# Altium PCB Ocreeb MK 2 _core _pcb.PcbDoc (part 1 of 2)
Units mm, origin at the board's own origin, x right, y up, seen from the top; angles counter-clockwise.
Board outline 87.2 x 87.2 mm, 2 copper layers (Top, Bottom); 47 components, 38 nets, 290 pads, 62 vias.
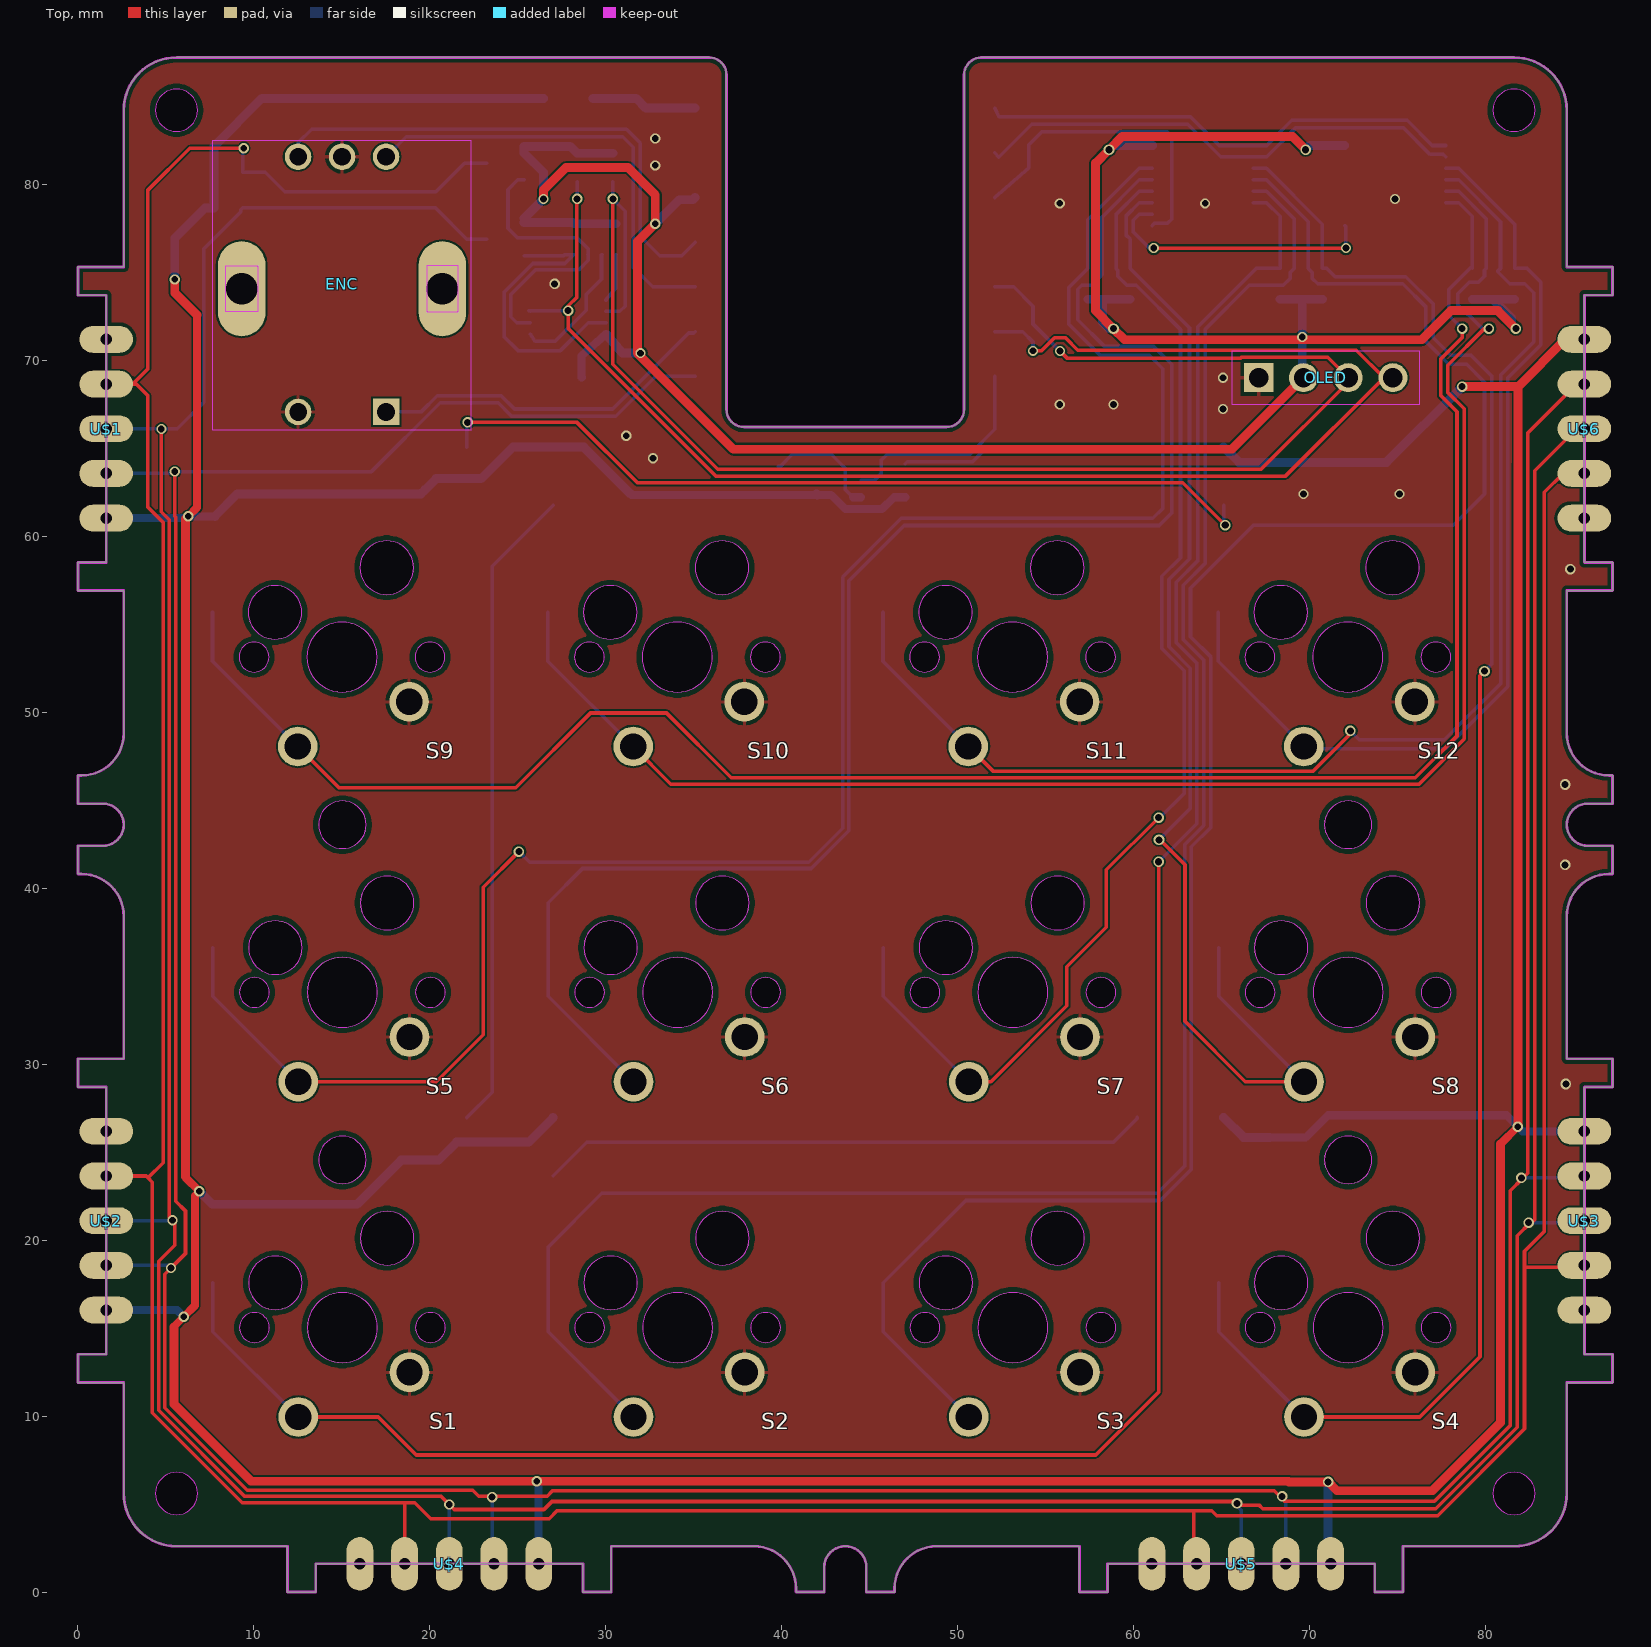
[diagram p0: Top view]
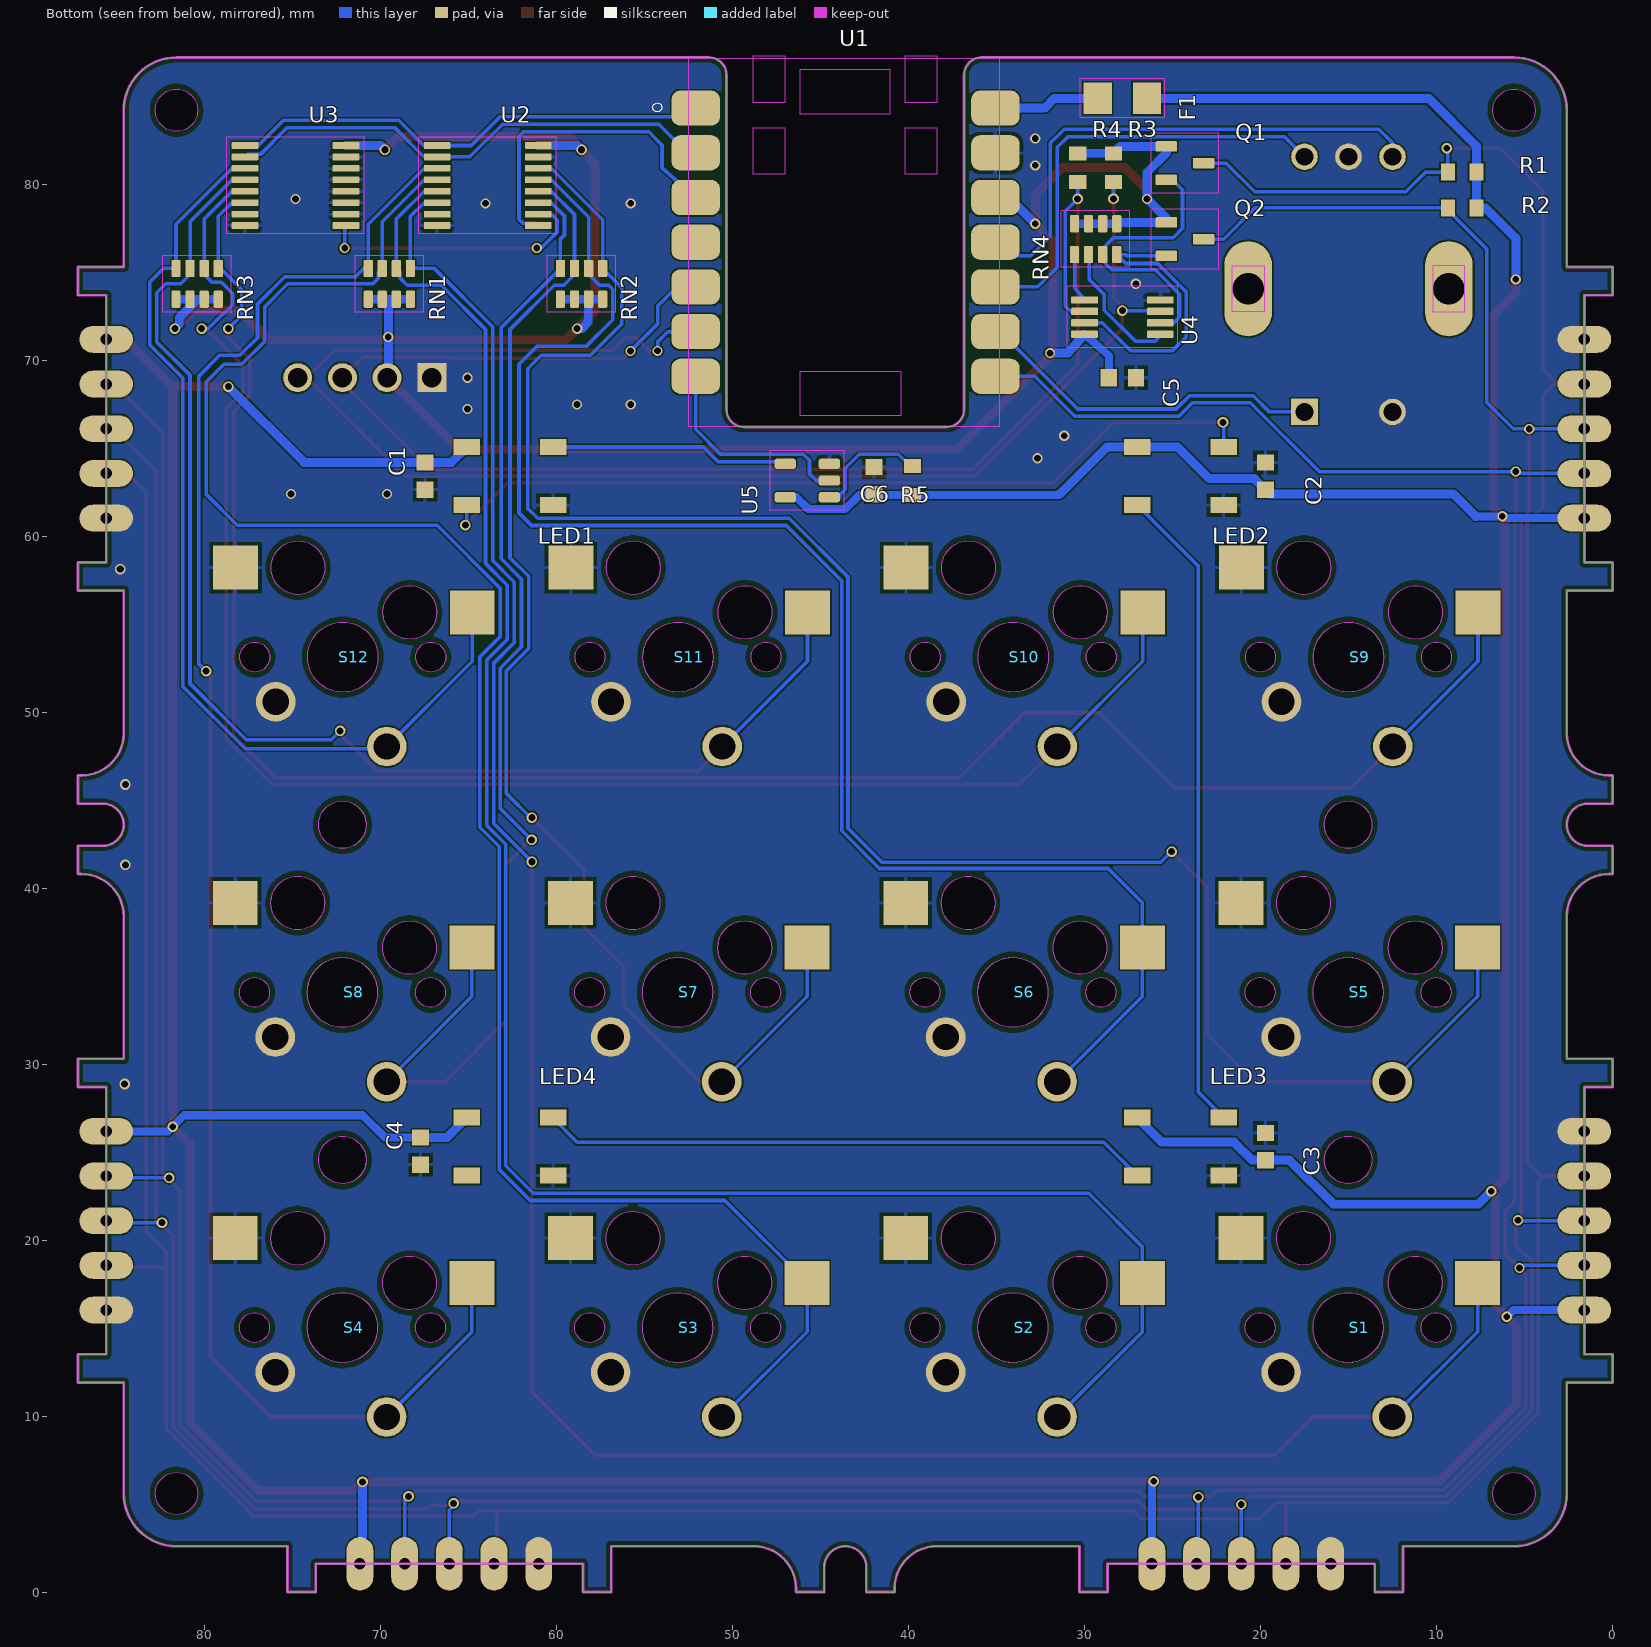
[diagram p1: Bottom view, seen from below]

## Layer stack, top to bottom
Top Solder: solder mask 0.0102, Solder Resist, Dk 3.5
Top: signal copper 0.035
Dielectric 1: dielectric 0.32, FR-4, Dk 4.8
Bottom: signal copper 0.035
Bottom Solder: solder mask 0.0102, Solder Resist, Dk 3.5

## Board outline
0,40.8 0,42.4 1.4,42.4 ccw(c1.4,43.6) 1.4,44.8 0,44.8 0,46.4 0.2,46.4 ccw(c0.2,48.8) 2.6,48.8 2.6,56.905 0,56.905 0,58.505 1.6,58.505 1.6,73.695 0,73.695 0,75.295 2.6,75.295 2.6,84.2 cw(c5.6,84.2) 5.6,87.2 35.85,87.2 cw(c35.85,86.2) 36.85,86.2 36.85,67.2 ccw(c37.85,67.2) 37.85,66.2 49.35,66.2 ccw(c49.35,67.2) 50.35,67.2 50.35,86.2 cw(c51.35,86.2) 51.35,87.2 81.6,87.2 cw(c81.6,84.2) 84.6,84.2 84.6,75.295 87.2,75.295 87.2,73.695 85.6,73.695 85.6,58.505 87.2,58.505 87.2,56.905 84.6,56.905 84.6,48.8 ccw(c87,48.8) 87,46.4 87.2,46.4 87.2,44.8 85.8,44.8 ccw(c85.8,43.6) 85.8,42.4 87.2,42.4 87.2,40.8 87,40.8 ccw(c87,38.4) 84.6,38.4 84.6,30.295 87.2,30.295 87.2,28.695 85.6,28.695 85.6,13.505 87.2,13.505 87.2,11.905 84.6,11.905 84.6,5.6 cw(c81.6,5.6) 81.6,2.6 75.295,2.6 75.295,0 73.695,0 73.695,1.6 58.505,1.6 58.505,0 56.905,0 56.905,2.6 48.8,2.6 ccw(c48.8,0.2) 46.4,0.2 46.4,0 44.8,0 44.8,1.4 ccw(c43.6,1.4) 42.4,1.4 42.4,0 40.8,0 40.8,0.2 ccw(c38.4,0.2) 38.4,2.6 30.295,2.6 30.295,0 28.695,0 28.695,1.6 13.505,1.6 13.505,0 11.905,0 11.905,2.6 5.6,2.6 cw(c5.6,5.6) 2.6,5.6 2.6,11.905 0,11.905 0,13.505 1.6,13.505 1.6,28.695 0,28.695 0,30.295 2.6,30.295 2.6,38.4 ccw(c0.2,38.4) 0.2,40.8
cut-out: 34.075,32.081 ccw(c34.075,34.075) 36.069,34.075 ccw(c34.075,34.075) 34.075,36.069 ccw(c34.075,34.075) 32.081,34.075 ccw(c34.075,34.075)
cut-out: 53.125,32.081 ccw(c53.125,34.075) 55.119,34.075 ccw(c53.125,34.075) 53.125,36.069 ccw(c53.125,34.075) 51.131,34.075 ccw(c53.125,34.075)
cut-out: 15.025,13.031 ccw(c15.025,15.025) 17.019,15.025 ccw(c15.025,15.025) 15.025,17.019 ccw(c15.025,15.025) 13.031,15.025 ccw(c15.025,15.025)
cut-out: 53.105,51.131 ccw(c53.105,53.125) 55.099,53.125 ccw(c53.105,53.125) 53.105,55.119 ccw(c53.105,53.125) 51.111,53.125 ccw(c53.105,53.125)
cut-out: 15.025,32.081 ccw(c15.025,34.075) 17.019,34.075 ccw(c15.025,34.075) 15.025,36.069 ccw(c15.025,34.075) 13.031,34.075 ccw(c15.025,34.075)
cut-out: 34.055,51.131 ccw(c34.055,53.125) 36.049,53.125 ccw(c34.055,53.125) 34.055,55.119 ccw(c34.055,53.125) 32.061,53.125 ccw(c34.055,53.125)
cut-out: 72.175,13.031 ccw(c72.175,15.025) 74.169,15.025 ccw(c72.175,15.025) 72.175,17.019 ccw(c72.175,15.025) 70.181,15.025 ccw(c72.175,15.025)
cut-out: 53.125,13.031 ccw(c53.125,15.025) 55.119,15.025 ccw(c53.125,15.025) 53.125,17.019 ccw(c53.125,15.025) 51.131,15.025 ccw(c53.125,15.025)
cut-out: 34.075,13.031 ccw(c34.075,15.025) 36.069,15.025 ccw(c34.075,15.025) 34.075,17.019 ccw(c34.075,15.025) 32.081,15.025 ccw(c34.075,15.025)
cut-out: 72.155,51.131 ccw(c72.155,53.125) 74.149,53.125 ccw(c72.155,53.125) 72.155,55.119 ccw(c72.155,53.125) 70.161,53.125 ccw(c72.155,53.125)
cut-out: 15.005,51.131 ccw(c15.005,53.125) 16.999,53.125 ccw(c15.005,53.125) 15.005,55.119 ccw(c15.005,53.125) 13.011,53.125 ccw(c15.005,53.125)
cut-out: 72.175,32.081 ccw(c72.175,34.075) 74.169,34.075 ccw(c72.175,34.075) 72.175,36.069 ccw(c72.175,34.075) 70.181,34.075 ccw(c72.175,34.075)
cut-out: 74.715,18.581 ccw(c74.715,20.105) 76.239,20.105 ccw(c74.715,20.105) 74.715,21.629 ccw(c74.715,20.105) 73.191,20.105 ccw(c74.715,20.105)
cut-out: 68.345,54.141 ccw(c68.345,55.665) 69.869,55.665 ccw(c68.345,55.665) 68.345,57.189 ccw(c68.345,55.665) 66.821,55.665 ccw(c68.345,55.665)
cut-out: 55.665,18.581 ccw(c55.665,20.105) 57.189,20.105 ccw(c55.665,20.105) 55.665,21.629 ccw(c55.665,20.105) 54.141,20.105 ccw(c55.665,20.105)
cut-out: 30.265,16.041 ccw(c30.265,17.565) 31.789,17.565 ccw(c30.265,17.565) 30.265,19.089 ccw(c30.265,17.565) 28.741,17.565 ccw(c30.265,17.565)
cut-out: 36.615,18.581 ccw(c36.615,20.105) 38.139,20.105 ccw(c36.615,20.105) 36.615,21.629 ccw(c36.615,20.105) 35.091,20.105 ccw(c36.615,20.105)
cut-out: 49.315,16.041 ccw(c49.315,17.565) 50.839,17.565 ccw(c49.315,17.565) 49.315,19.089 ccw(c49.315,17.565) 47.791,17.565 ccw(c49.315,17.565)
cut-out: 74.715,37.631 ccw(c74.715,39.155) 76.239,39.155 ccw(c74.715,39.155) 74.715,40.679 ccw(c74.715,39.155) 73.191,39.155 ccw(c74.715,39.155)
cut-out: 49.315,35.091 ccw(c49.315,36.615) 50.839,36.615 ccw(c49.315,36.615) 49.315,38.139 ccw(c49.315,36.615) 47.791,36.615 ccw(c49.315,36.615)
cut-out: 68.365,35.091 ccw(c68.365,36.615) 69.889,36.615 ccw(c68.365,36.615) 68.365,38.139 ccw(c68.365,36.615) 66.841,36.615 ccw(c68.365,36.615)
cut-out: 11.195,54.141 ccw(c11.195,55.665) 12.719,55.665 ccw(c11.195,55.665) 11.195,57.189 ccw(c11.195,55.665) 9.671,55.665 ccw(c11.195,55.665)
cut-out: 17.545,56.681 ccw(c17.545,58.205) 19.069,58.205 ccw(c17.545,58.205) 17.545,59.729 ccw(c17.545,58.205) 16.021,58.205 ccw(c17.545,58.205)
cut-out: 55.665,37.631 ccw(c55.665,39.155) 57.189,39.155 ccw(c55.665,39.155) 55.665,40.679 ccw(c55.665,39.155) 54.141,39.155 ccw(c55.665,39.155)
cut-out: 17.565,37.631 ccw(c17.565,39.155) 19.089,39.155 ccw(c17.565,39.155) 17.565,40.679 ccw(c17.565,39.155) 16.041,39.155 ccw(c17.565,39.155)
cut-out: 68.365,16.041 ccw(c68.365,17.565) 69.889,17.565 ccw(c68.365,17.565) 68.365,19.089 ccw(c68.365,17.565) 66.841,17.565 ccw(c68.365,17.565)
cut-out: 11.215,35.091 ccw(c11.215,36.615) 12.739,36.615 ccw(c11.215,36.615) 11.215,38.139 ccw(c11.215,36.615) 9.691,36.615 ccw(c11.215,36.615)
cut-out: 30.265,35.091 ccw(c30.265,36.615) 31.789,36.615 ccw(c30.265,36.615) 30.265,38.139 ccw(c30.265,36.615) 28.741,36.615 ccw(c30.265,36.615)
cut-out: 36.615,37.631 ccw(c36.615,39.155) 38.139,39.155 ccw(c36.615,39.155) 36.615,40.679 ccw(c36.615,39.155) 35.091,39.155 ccw(c36.615,39.155)
cut-out: 30.245,54.141 ccw(c30.245,55.665) 31.769,55.665 ccw(c30.245,55.665) 30.245,57.189 ccw(c30.245,55.665) 28.721,55.665 ccw(c30.245,55.665)
cut-out: 55.645,56.681 ccw(c55.645,58.205) 57.169,58.205 ccw(c55.645,58.205) 55.645,59.729 ccw(c55.645,58.205) 54.121,58.205 ccw(c55.645,58.205)
cut-out: 36.595,56.681 ccw(c36.595,58.205) 38.119,58.205 ccw(c36.595,58.205) 36.595,59.729 ccw(c36.595,58.205) 35.071,58.205 ccw(c36.595,58.205)
cut-out: 17.565,18.581 ccw(c17.565,20.105) 19.089,20.105 ccw(c17.565,20.105) 17.565,21.629 ccw(c17.565,20.105) 16.041,20.105 ccw(c17.565,20.105)
cut-out: 11.215,16.041 ccw(c11.215,17.565) 12.739,17.565 ccw(c11.215,17.565) 11.215,19.089 ccw(c11.215,17.565) 9.691,17.565 ccw(c11.215,17.565)
cut-out: 49.295,54.141 ccw(c49.295,55.665) 50.819,55.665 ccw(c49.295,55.665) 49.295,57.189 ccw(c49.295,55.665) 47.771,55.665 ccw(c49.295,55.665)
cut-out: 74.695,56.681 ccw(c74.695,58.205) 76.219,58.205 ccw(c74.695,58.205) 74.695,59.729 ccw(c74.695,58.205) 73.171,58.205 ccw(c74.695,58.205)
cut-out: 15.025,42.25 ccw(c15.025,43.6) 16.375,43.6 ccw(c15.025,43.6) 15.025,44.95 ccw(c15.025,43.6) 13.675,43.6 ccw(c15.025,43.6)
cut-out: 72.175,42.25 ccw(c72.175,43.6) 73.525,43.6 ccw(c72.175,43.6) 72.175,44.95 ccw(c72.175,43.6) 70.825,43.6 ccw(c72.175,43.6)
cut-out: 72.175,23.2 ccw(c72.175,24.55) 73.525,24.55 ccw(c72.175,24.55) 72.175,25.9 ccw(c72.175,24.55) 70.825,24.55 ccw(c72.175,24.55)
cut-out: 15.025,23.2 ccw(c15.025,24.55) 16.375,24.55 ccw(c15.025,24.55) 15.025,25.9 ccw(c15.025,24.55) 13.675,24.55 ccw(c15.025,24.55)
cut-out: 81.6,83 ccw(c81.6,84.2) 82.8,84.2 ccw(c81.6,84.2) 81.6,85.4 ccw(c81.6,84.2) 80.4,84.2 ccw(c81.6,84.2)
cut-out: 81.6,4.4 ccw(c81.6,5.6) 82.8,5.6 ccw(c81.6,5.6) 81.6,6.8 ccw(c81.6,5.6) 80.4,5.6 ccw(c81.6,5.6)
cut-out: 5.6,83 ccw(c5.6,84.2) 6.8,84.2 ccw(c5.6,84.2) 5.6,85.4 ccw(c5.6,84.2) 4.4,84.2 ccw(c5.6,84.2)
cut-out: 5.6,4.4 ccw(c5.6,5.6) 6.8,5.6 ccw(c5.6,5.6) 5.6,6.8 ccw(c5.6,5.6) 4.4,5.6 ccw(c5.6,5.6)
cut-out: 20.005,52.275 ccw(c20.005,53.125) 20.855,53.125 ccw(c20.005,53.125) 20.005,53.975 ccw(c20.005,53.125) 19.155,53.125 ccw(c20.005,53.125)
cut-out: 10.025,14.175 ccw(c10.025,15.025) 10.875,15.025 ccw(c10.025,15.025) 10.025,15.875 ccw(c10.025,15.025) 9.175,15.025 ccw(c10.025,15.025)
cut-out: 48.125,33.225 ccw(c48.125,34.075) 48.975,34.075 ccw(c48.125,34.075) 48.125,34.925 ccw(c48.125,34.075) 47.275,34.075 ccw(c48.125,34.075)
cut-out: 67.175,33.225 ccw(c67.175,34.075) 68.025,34.075 ccw(c67.175,34.075) 67.175,34.925 ccw(c67.175,34.075) 66.325,34.075 ccw(c67.175,34.075)
cut-out: 77.175,33.225 ccw(c77.175,34.075) 78.025,34.075 ccw(c77.175,34.075) 77.175,34.925 ccw(c77.175,34.075) 76.325,34.075 ccw(c77.175,34.075)
cut-out: 58.125,33.225 ccw(c58.125,34.075) 58.975,34.075 ccw(c58.125,34.075) 58.125,34.925 ccw(c58.125,34.075) 57.275,34.075 ccw(c58.125,34.075)
cut-out: 10.005,52.275 ccw(c10.005,53.125) 10.855,53.125 ccw(c10.005,53.125) 10.005,53.975 ccw(c10.005,53.125) 9.155,53.125 ccw(c10.005,53.125)
cut-out: 39.075,14.175 ccw(c39.075,15.025) 39.925,15.025 ccw(c39.075,15.025) 39.075,15.875 ccw(c39.075,15.025) 38.225,15.025 ccw(c39.075,15.025)
cut-out: 48.105,52.275 ccw(c48.105,53.125) 48.955,53.125 ccw(c48.105,53.125) 48.105,53.975 ccw(c48.105,53.125) 47.255,53.125 ccw(c48.105,53.125)
cut-out: 77.175,14.175 ccw(c77.175,15.025) 78.025,15.025 ccw(c77.175,15.025) 77.175,15.875 ccw(c77.175,15.025) 76.325,15.025 ccw(c77.175,15.025)
cut-out: 67.175,14.175 ccw(c67.175,15.025) 68.025,15.025 ccw(c67.175,15.025) 67.175,15.875 ccw(c67.175,15.025) 66.325,15.025 ccw(c67.175,15.025)
cut-out: 48.125,14.175 ccw(c48.125,15.025) 48.975,15.025 ccw(c48.125,15.025) 48.125,15.875 ccw(c48.125,15.025) 47.275,15.025 ccw(c48.125,15.025)
cut-out: 67.155,52.275 ccw(c67.155,53.125) 68.005,53.125 ccw(c67.155,53.125) 67.155,53.975 ccw(c67.155,53.125) 66.305,53.125 ccw(c67.155,53.125)
cut-out: 58.105,52.275 ccw(c58.105,53.125) 58.955,53.125 ccw(c58.105,53.125) 58.105,53.975 ccw(c58.105,53.125) 57.255,53.125 ccw(c58.105,53.125)
cut-out: 58.125,14.175 ccw(c58.125,15.025) 58.975,15.025 ccw(c58.125,15.025) 58.125,15.875 ccw(c58.125,15.025) 57.275,15.025 ccw(c58.125,15.025)
cut-out: 29.075,14.175 ccw(c29.075,15.025) 29.925,15.025 ccw(c29.075,15.025) 29.075,15.875 ccw(c29.075,15.025) 28.225,15.025 ccw(c29.075,15.025)
cut-out: 20.025,14.175 ccw(c20.025,15.025) 20.875,15.025 ccw(c20.025,15.025) 20.025,15.875 ccw(c20.025,15.025) 19.175,15.025 ccw(c20.025,15.025)
cut-out: 77.155,52.275 ccw(c77.155,53.125) 78.005,53.125 ccw(c77.155,53.125) 77.155,53.975 ccw(c77.155,53.125) 76.305,53.125 ccw(c77.155,53.125)
cut-out: 39.075,33.225 ccw(c39.075,34.075) 39.925,34.075 ccw(c39.075,34.075) 39.075,34.925 ccw(c39.075,34.075) 38.225,34.075 ccw(c39.075,34.075)
cut-out: 29.075,33.225 ccw(c29.075,34.075) 29.925,34.075 ccw(c29.075,34.075) 29.075,34.925 ccw(c29.075,34.075) 28.225,34.075 ccw(c29.075,34.075)
cut-out: 29.055,52.275 ccw(c29.055,53.125) 29.905,53.125 ccw(c29.055,53.125) 29.055,53.975 ccw(c29.055,53.125) 28.205,53.125 ccw(c29.055,53.125)
cut-out: 39.055,52.275 ccw(c39.055,53.125) 39.905,53.125 ccw(c39.055,53.125) 39.055,53.975 ccw(c39.055,53.125) 38.205,53.125 ccw(c39.055,53.125)
cut-out: 20.025,33.225 ccw(c20.025,34.075) 20.875,34.075 ccw(c20.025,34.075) 20.025,34.925 ccw(c20.025,34.075) 19.175,34.075 ccw(c20.025,34.075)
cut-out: 10.025,33.225 ccw(c10.025,34.075) 10.875,34.075 ccw(c10.025,34.075) 10.025,34.925 ccw(c10.025,34.075) 9.175,34.075 ccw(c10.025,34.075)
cut-out: 10.205,72.755 8.405,72.755 8.405,75.355 10.205,75.355
cut-out: 21.605,75.355 19.805,75.355 19.805,72.755 21.605,72.755

## Design rules (kind name [scope] priority, off if disabled: settings)
BoardOutlineClearance mdCopperDimension [All] p1: gap=0.254 ignorepadtopadclearanceinfootprint=FALSE except(0: Arc-SplitContinuation Track-SplitContinuation SMDPad-SplitContinuation THPad-SplitContinuation Via-SplitContinuation Fill-SplitContinuation Poly-SplitContinuation Region-SplitContinuation Text-SplitContinuation; 0.3: Poly-OutlineEdge Poly-CavityEdge Poly-CutoutEdge Poly-SplitBarrior)
Clearance "Clearance (Same Net)" [All] p1: gap=0.1 ignorepadtopadclearanceinfootprint=FALSE
Clearance Clearance_for_NetClass_power [InNetClass('power') vs InNetClass('power')] p2: gap=0.152 ignorepadtopadclearanceinfootprint=FALSE
Clearance [All] p3: gap=0.1 ignorepadtopadclearanceinfootprint=FALSE
HoleSize HoleSize_For_NetClass_power [InNetClass('power')] p1: absolutevalues=TRUE maxlimit=0.381 minlimit=0.381 maxpercent=80.000 minpercent=20.000
HoleSize [All] p2: absolutevalues=TRUE maxlimit=2540 minlimit=0.3 maxpercent=80.000 minpercent=20.000
HoleToHoleClearance mdDrill [All] p1: gap=0.254 allowstackedmicrovias=TRUE
MinimumSolderMaskSliver [All] p1 off: minsoldermaskwidth=0.254
PasteMaskExpansion mlMinCreamFrame [All] p1: expansion=0
PolygonConnect PolygonConnect_For_PolygonThermal_ON_Width80000_Gap78740 [InPolygonClass('PolygonThermal_ON_Width80000_Gap78740') vs Not IsVia] p1: connectstyle=Relief reliefconductorwidth=0.203 reliefentries=4 polygonreliefangle="90 Angle" airgapwidth=0.2
PolygonConnect PolygonConnect_For_PolygonThermal_ON_Width60000_Gap78740 [InPolygonClass('PolygonThermal_ON_Width60000_Gap78740') vs Not IsVia] p2: connectstyle=Relief reliefconductorwidth=0.152 reliefentries=4 polygonreliefangle="90 Angle" airgapwidth=0.2
PolygonConnect ThermalVias [IsVia] p3: connectstyle=Direct reliefconductorwidth=0.254 reliefentries=4 polygonreliefangle="90 Angle" airgapwidth=0.254
PolygonConnect [All] p4: connectstyle=Relief reliefconductorwidth=0.254 reliefentries=4 polygonreliefangle="90 Angle" airgapwidth=0.254
RoutingVias [All] p1: holewidth=0.3 width=0.5 viastyle="Through Hole" minholewidth=0.3 minwidth=0.5 maxholewidth=2.54 maxwidth=2.54
SolderMaskExpansion mlMinStopFrame [All] p1: expansion=0.051 istentingtop=FALSE
Width Width_For_NetClass_power [InNetClass('power')] p1: maxlimit=0.914 minlimit=0.254 preferedwidth=0.457
Width [All] p2: maxlimit=0.254 minlimit=0.1 preferedwidth=0.1
26 further rules are at their usual default settings.

## Classes and differential pairs
polygon class PolygonThermal_ON_Width80000_Gap78740: Polygon_1_Net_GND Polygon_2_Net_GND
net class power: 3.3V 5V GND USB_5V

## Components (designator, comment, footprint, x,y, rotation, side; value= is the part's Value field where it differs from the comment)
C1 "0.1uF" CAPC1608X85 67.476,63.412 r90 bottom
C2 "0.1uF" CAPC1608X85 19.724,63.412 r270 bottom
C3 "0.1uF" CAPC1608X85 19.724,25.312 r270 bottom
C4 "0.1uF" CAPC1608X85 67.73,25.058 r90 bottom
C5 "0.1uF" CAPC1608X85 27.852,69 r0 bottom
C6 "0.1uF" CAPC1608X85 41.957,63.158 r270 bottom
ENC "" PEC11R-4215F-S0024 15.005,74.055 r180 top
F1 "6V/0.75A" 1206 27.852,84.875 r180 bottom
LED1 "WS2812B" WS2812B 62.65,63.412 r180 bottom
LED2 "WS2812B" WS2812B 24.55,63.412 r180 bottom
LED3 "WS2812B" WS2812B 24.55,25.312 r180 bottom
LED4 "WS2812B" WS2812B 62.65,25.312 r180 bottom
OLED "61300411121" 61300411121 70.905,69 r0 top
Q1 "BSS138" SOT95P240X111-3N 24.296,81.192 r180 bottom
Q2 "BSS138" SOT95P240X111-3N 24.296,76.874 r180 bottom
R1 "10K" RESC1608X60 8.548,80.684 r180 bottom
R2 "10K" RESC1608X60 8.548,78.652 r180 bottom
R3 "10K" RESC1608X60 28.36,80.938 r90 bottom
R4 "10K" RESC1608X60 30.392,80.938 r90 bottom
R5 "10K" RESC1608X60 39.79,63.158 r270 bottom
RN1 "CAY16-103J4LF" RESCAF80P320X160X60-8N 69.508,74.334 r270 bottom
RN2 "CAY16-103J4LF" RESCAF80P320X160X60-8N 58.586,74.334 r270 bottom
RN3 "CAY16-103J4LF" RESCAF80P320X160X60-8N 80.43,74.334 r270 bottom
RN4 "CAY16-103J4LF" RESCAF80P320X160X60-8N 29.376,76.874 r90 bottom
S1 "" ? 15.025,15.025 r180 top
S2 "" ? 34.075,15.025 r180 top
S3 "" ? 53.125,15.025 r180 top
S4 "" ? 72.175,15.025 r180 top
S5 "" ? 15.025,34.075 r180 top
S6 "" ? 34.075,34.075 r180 top
S7 "" ? 53.125,34.075 r180 top
S8 "" ? 72.175,34.075 r180 top
S9 "" ? 15.005,53.125 r180 top
S10 "" ? 34.055,53.125 r180 top
S11 "" ? 53.105,53.125 r180 top
S12 "" ? 72.155,53.125 r180 top
U1 "" MOUDLE14P-SMD-2.54-21X17.8MM 52.5,66.2 r180 bottom
U2 "SN74HC165DBR16-TSSOP" SOP65P640X120-16N 63.92,79.922 r180 bottom
U3 "SN74HC165DBR16-TSSOP" SOP65P640X120-16N 74.842,79.922 r180 bottom
U4 "TCA4307DGKR" SOP65P490X110-8N 27.852,72.443 r0 bottom
U5 "SN74AHCT1G126DBVR" SOT95P280X145-5N 45.759,63.158 r0 bottom
U$1 "" 5_POGO_EDGE 1.6,66.1 r90 top
U$2 "" 5_POGO_EDGE 1.61,21.1 r90 top
U$3 "" 5_POGO_EDGE 85.599,21.1 r270 top
U$4 "" 5_POGO_EDGE 21.1,1.6 r180 top
U$5 "" 5_POGO_EDGE 66.1,1.6 r180 top
U$6 "" 5_POGO_EDGE 85.6,66.1 r270 top
